# KiCad board plz actually have soldermask.kicad_pcb (continued)
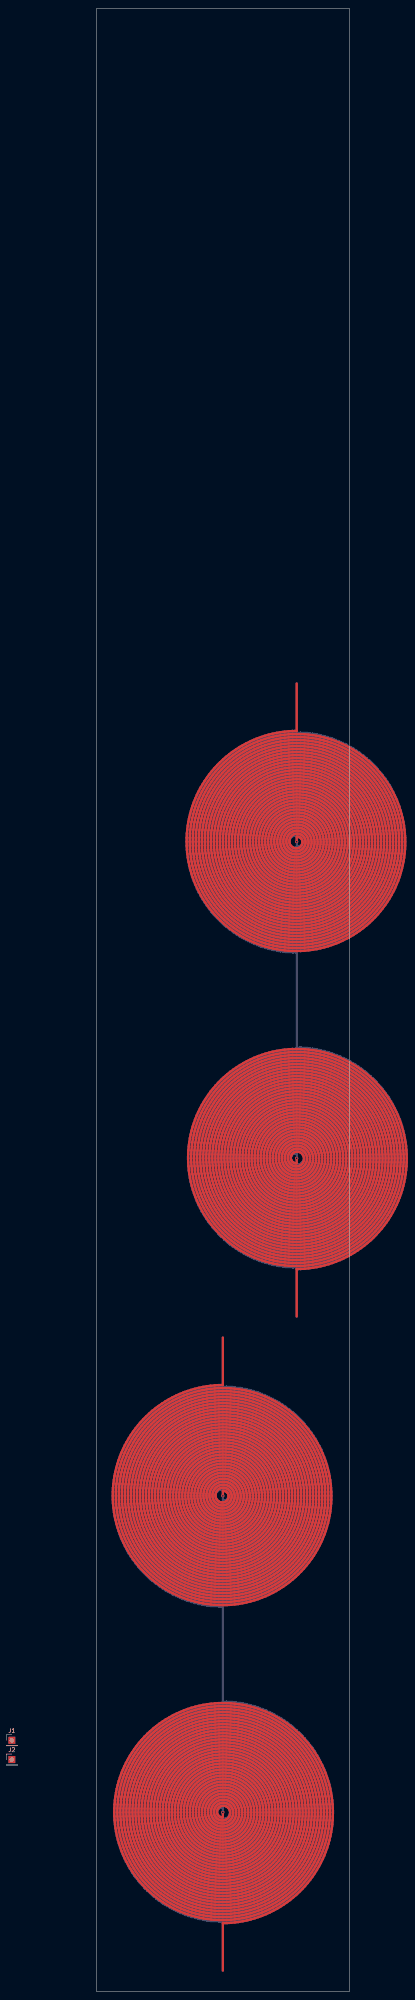
[diagram p0: board, top side]
## Routing (per net, layer and track width the routed paths; a pad name or vN(x,y) marks a point on that pad's centre or on a via; arc(x,y) is an arc through that point) (continued)
38.02,195.35 37.68,196.06 37.38,196.79 37.13,197.54 36.94,198.31 36.8,199.08 36.71,199.87 36.67,200.66 36.69,201.45 36.77,202.24 36.89,203.02 37.07,203.79 37.31,204.55 37.59,205.3 37.92,206.02 38.31,206.71 38.74,207.38 39.21,208.02 39.73,208.63 40.29,209.2 40.88,209.73 41.51,210.22 42.18,210.66 42.87,211.06 43.59,211.41 44.33,211.71 45.09,211.96 45.87,212.16 46.66,212.3 47.46,212.39 48.26,212.43 49.06,212.41 49.86,212.33 50.66,212.21 51.44,212.02 52.21,211.79 52.97,211.5 53.7,211.16 54.41,210.77 55.09,210.33 55.74,209.85 56.35,209.32 56.93,208.76 57.47,208.15 57.96,207.51 58.42,206.84 58.82,206.13 59.18,205.4 59.48,204.65 59.74,203.88 59.94,203.09 60.08,202.29 60.17,201.47 60.21,200.66 60.19,199.84 60.11,199.03 59.98,198.22 59.8,197.43 59.56,196.64 59.26,195.88 58.92,195.14 58.52,194.42 58.08,193.73 57.59,193.07 57.06,192.44 56.48,191.86 55.87,191.31 55.22,190.81 54.53,190.35 53.82,189.94 53.07,189.58 52.31,189.27 51.52,189.01 50.72,188.8 49.91,188.66 49.09,188.56 48.26,188.53 47.47,188.55 46.67,188.62 45.89,188.74 45.11,188.91 44.35,189.14 43.6,189.41 42.87,189.73 42.16,190.1 41.48,190.52 40.83,190.97 40.21,191.48 39.62,192.02 39.06,192.6 38.55,193.21 38.08,193.86 37.65,194.53 37.26,195.24 36.93,195.97 36.64,196.71 36.4,197.48 36.21,198.26 36.07,199.05 35.98,199.86 35.95,200.66 35.97,201.47 36.04,202.27 36.16,203.07 36.34,203.85 36.56,204.63 36.84,205.39 37.17,206.13 37.54,206.85 37.96,207.54 38.43,208.2 38.94,208.83 39.49,209.43 40.08,209.99 40.7,210.51 41.36,210.99 42.04,211.43 42.76,211.82 43.5,212.16 44.26,212.46 45.03,212.7 45.83,212.89 46.63,213.03 47.44,213.12 48.26,213.16 49.08,213.14 49.89,213.06 50.7,212.94 51.5,212.76 52.29,212.53 53.06,212.25 53.81,211.91 54.54,211.53 55.24,211.11 55.91,210.63 56.55,210.12 57.16,209.56 57.73,208.96 58.26,208.33 58.74,207.67 59.19,206.97 59.58,206.24 59.93,205.49 60.23,204.72 60.48,203.93 60.67,203.13 60.81,202.31 60.9,201.49 60.94,200.66 60.92,199.83 60.84,199 60.72,198.18 60.53,197.37 60.3,196.57 60.01,195.79 59.68,195.03 59.29,194.29 58.86,193.58 58.38,192.9 57.85,192.25 57.29,191.63 56.68,191.05 56.04,190.52 55.37,190.02 54.66,189.58 53.92,189.17 53.16,188.82 52.38,188.52 51.58,188.27 50.76,188.07 49.94,187.93 49.1,187.84 48.26,187.8 47.45,187.82 46.65,187.89 45.85,188.01 45.05,188.18 44.28,188.4 43.51,188.66 42.76,188.98 42.04,189.34 41.33,189.75 40.66,190.2 40.01,190.69 39.4,191.22 38.82,191.79 38.27,192.4 37.77,193.04 37.3,193.71 36.88,194.41 36.51,195.13 36.18,195.88 35.89,196.64 35.66,197.42 35.47,198.22 35.34,199.03 35.25,199.84 35.22,200.66 35.24,201.48 35.31,202.3 35.43,203.11 35.6,203.91 35.82,204.7 36.09,205.48 36.41,206.23 36.78,206.97 37.19,207.68 37.65,208.37 38.15,209.02 38.69,209.65 39.27,210.24 39.88,210.79 40.53,211.3 41.21,211.77 41.92,212.2 42.65,212.58 43.41,212.91 44.19,213.2 44.98,213.44 45.79,213.63 46.6,213.76 47.43,213.85 48.26,213.88 49.09,213.86 49.92,213.79 50.74,213.67 51.56,213.5 52.36,213.27 53.14,212.99 53.91,212.67 54.66,212.3 55.38,211.88 56.07,211.42 56.74,210.91 57.37,210.36 57.97,209.78 58.53,209.15 59.05,208.5 59.52,207.81 59.96,207.09 60.34,206.35 60.68,205.58 60.97,204.79 61.21,203.99 61.41,203.17 61.54,202.34 61.63,201.5 61.66,200.66 61.65,199.82 61.57,198.98 61.45,198.14 61.27,197.32 61.04,196.51 60.76,195.71 60.43,194.93 60.06,194.17 59.63,193.44 59.16,192.74 58.65,192.06 58.09,191.42 57.5,190.82 56.87,190.25 56.2,189.73 55.5,189.24 54.78,188.81 54.02,188.41 53.25,188.07 52.45,187.77 51.63,187.53 50.8,187.34 49.96,187.2 49.11,187.11 48.26,187.07 47.44,187.09 46.62,187.16 45.81,187.28 45,187.44 44.21,187.66 43.43,187.92 42.66,188.23 41.92,188.58 41.2,188.98 40.5,189.42 39.83,189.9 39.2,190.43 38.59,190.99 38.02,191.59 37.48,192.22 36.99,192.88 36.53,193.57 36.12,194.29 35.75,195.03 35.43,195.79 35.15,196.57 34.92,197.37 34.74,198.18 34.61,199 34.52,199.83 34.49,200.66 34.51,201.49 34.58,202.32 34.7,203.15 34.87,203.96 35.08,204.77 35.35,205.56 35.66,206.33 36.02,207.08 36.42,207.82 36.87,208.52 37.36,209.2 37.89,209.85 38.46,210.46 39.07,211.04 39.7,211.58 40.38,212.08 41.08,212.54 41.8,212.96 42.56,213.34 43.33,213.66 44.12,213.94 44.93,214.18 45.75,214.36 46.58,214.49 47.42,214.58 48.26,214.61 49.1,214.59 49.94,214.52 50.78,214.4 51.61,214.23 52.42,214.01 53.22,213.74 54.01,213.43 54.77,213.06 55.51,212.65 56.22,212.2 56.91,211.7 57.57,211.16 58.19,210.59 58.77,209.98 59.32,209.33 59.83,208.65 60.3,207.94 60.72,207.2 61.1,206.44 61.43,205.66 61.72,204.85 61.95,204.04 62.14,203.2 62.27,202.36 62.36,201.51 62.39,200.66 62.37,199.81 62.3,198.95 62.18,198.11 62.01,197.27 61.78,196.45 61.51,195.63 61.19,194.84 60.82,194.07 60.41,193.32 59.95,192.59 59.44,191.9 58.9,191.23 58.32,190.6 57.7,190.01 57.04,189.45 56.35,188.94 55.63,188.47 54.89,188.04 54.11,187.65 53.32,187.32 52.51,187.03 51.68,186.79 50.84,186.6 49.98,186.47 49.12,186.38 48.26,186.35 47.43,186.36 46.6,186.43 45.77,186.54 44.95,186.71 44.15,186.92 43.35,187.17 42.57,187.47 41.81,187.82 41.07,188.21 40.36,188.65 39.67,189.12 39.01,189.63 38.38,190.19 37.78,190.77 37.22,191.39 36.69,192.05 36.21,192.73 35.76,193.44 35.36,194.18 34.99,194.94 34.68,195.72 34.41,196.51 34.18,197.32 34.01,198.15 33.88,198.98 33.8,199.82 33.77,200.66 33.78,201.5 33.85,202.34 33.97,203.18 34.13,204.01 34.34,204.83 34.6,205.63 34.91,206.42 35.26,207.19 35.65,207.94 36.09,208.66 36.57,209.36 37.09,210.03 37.65,210.67 38.25,211.27 38.88,211.84 39.54,212.37 40.23,212.87 40.95,213.32 41.7,213.73 42.47,214.09 43.25,214.41 44.06,214.69 44.88,214.91 45.71,215.09 46.56,215.22 47.41,215.3 48.26,215.34 49.11,215.32 49.97,215.25 50.81,215.13 51.65,214.97 52.48,214.75 53.29,214.49 54.09,214.18 54.87,213.82 55.63,213.42 56.36,212.98 57.07,212.49 57.75,211.96 58.39,211.4 59,210.8 59.58,210.16 60.12,209.49 60.62,208.79 61.08,208.06 61.49,207.3 61.86,206.53 62.18,205.73 62.46,204.91 62.69,204.08 62.87,203.24 63,202.38 63.09,201.52 63.12,200.66 63.1,199.8 63.03,198.93 62.91,198.08 62.74,197.23 62.53,196.39 62.26,195.56 61.95,194.76 61.59,193.97 61.18,193.2 60.73,192.46 60.24,191.74 59.7,191.06 59.13,190.4 58.52,189.78 57.88,189.2 57.2,188.66 56.49,188.15 55.75,187.69 54.99,187.27 54.2,186.89 53.39,186.56 52.56,186.28 51.72,186.05 50.87,185.87 50,185.74 49.13,185.65 48.26,185.62 47.42,185.64 46.57,185.7 45.74,185.81 44.91,185.97 44.09,186.18 43.28,186.43 42.49,186.72 41.71,187.06 40.96,187.45 40.22,187.87 39.52,188.34 38.83,188.84 38.18,189.38 37.56,189.96 36.97,190.57 36.42,191.22 35.9,191.89 35.43,192.6 34.99,193.33 34.59,194.08 34.24,194.85 33.93,195.65 33.66,196.46 33.45,197.28 33.27,198.11 33.15,198.96 33.07,199.81 33.04,200.66 33.06,201.51 33.12,202.37 33.23,203.21 33.39,204.05 33.6,204.88 33.86,205.7 34.15,206.5 34.5,207.29 34.89,208.05 35.32,208.79 35.79,209.51 36.3,210.2 36.85,210.86 37.43,211.49 38.05,212.08 38.7,212.64 39.39,213.16 40.1,213.65 40.84,214.09 41.6,214.49 42.38,214.85 43.19,215.16 44,215.43 44.84,215.65 45.68,215.83 46.54,215.95 47.4,216.03 48.26,216.06 49.12,216.05 49.99,215.98 50.84,215.87 51.69,215.7 52.53,215.49 53.36,215.24 54.17,214.93 54.97,214.58 55.74,214.19 56.49,213.76 57.21,213.28 57.91,212.76 58.58,212.21 59.22,211.62 59.82,210.99 60.38,210.33 60.91,209.64 61.4,208.92 61.85,208.17 62.26,207.4 62.62,206.61 62.93,205.79 63.2,204.97 63.43,204.12 63.61,203.27 63.73,202.4 63.81,201.53 63.85,200.66 63.83,199.79 63.76,198.91 63.64,198.05 63.48,197.19 63.27,196.34 63.01,195.5 62.7,194.68 62.35,193.88 61.95,193.09 61.51,192.33 61.03,191.6 60.51,190.89 59.94,190.22 59.34,189.58 58.71,188.97 58.04,188.39 57.34,187.86 56.61,187.36 55.86,186.91 55.08,186.5 54.28,186.14 53.45,185.81 52.62,185.54 51.76,185.31 50.9,185.13 50.02,185.01 49.14,184.92 48.26,184.89 47.41,184.91 46.55,184.97 45.71,185.08 44.87,185.24 44.03,185.44 43.21,185.68 42.41,185.97 41.62,186.3 40.85,186.68 40.1,187.1 39.37,187.55 38.67,188.05 38,188.58 37.36,189.15 36.74,189.75 36.17,190.39 35.62,191.05 35.12,191.75 34.65,192.47 34.22,193.22 33.83,193.98 33.48,194.77 33.18,195.58 32.92,196.4 32.71,197.24 32.54,198.08 32.42,198.94 32.34,199.8 32.31,200.66 32.33,201.52 32.39,202.39 32.5,203.24 32.66,204.09 32.86,204.94 33.11,205.76 33.4,206.58 33.74,207.38 34.12,208.16 34.54,208.91 35,209.65 35.5,210.36 36.04,211.04 36.62,211.69 37.23,212.31 37.87,212.89 38.54,213.44 39.25,213.95 39.98,214.43 40.73,214.86 41.51,215.25 42.31,215.6 43.12,215.91 43.95,216.17 44.8,216.39 45.65,216.56 46.52,216.68 47.39,216.76 48.26,216.79 49.13,216.77 50.01,216.71 50.87,216.6 51.73,216.44 52.58,216.23 53.42,215.98 54.25,215.69 55.05,215.35 55.84,214.96 56.61,214.54 57.35,214.07 58.07,213.56 58.76,213.02 59.41,212.43 60.04,211.82 60.63,211.17 61.19,210.49 61.7,209.78 62.18,209.04 62.62,208.27 63.02,207.49 63.37,206.68 63.68,205.86 63.95,205.02 64.17,204.16 64.34,203.3 64.46,202.42 64.54,201.54 64.57,200.66 64.55,199.78 64.49,198.89 64.38,198.02 64.22,197.15 64.01,196.29 63.75,195.44 63.45,194.61 63.11,193.79 62.72,192.99 62.29,192.22 61.82,191.47 61.31,190.74 60.75,190.05 60.17,189.38 59.54,188.75 58.89,188.15 58.2,187.59 57.48,187.07 56.73,186.58 55.96,186.14 55.16,185.74 54.35,185.38 53.51,185.07 52.66,184.8 51.8,184.58 50.93,184.4 50.04,184.28 49.15,184.2 48.26,184.17 47.4,184.18 46.53,184.24 45.68,184.35 44.83,184.5 43.98,184.7 43.15,184.94 42.33,185.22 41.53,185.55 40.75,185.92 39.98,186.32 39.24,186.77 38.52,187.26 37.83,187.78 37.17,188.34 36.53,188.93 35.93,189.56 35.36,190.22 34.83,190.9 34.33,191.61 33.87,192.35 33.45,193.11 33.07,193.9 32.73,194.7 32.43,195.52 32.18,196.35 31.97,197.2 31.81,198.05 31.69,198.92 31.61,199.79 31.58,200.66 31.6,201.53 31.66,202.4 31.77,203.27 31.92,204.13 32.12,204.98 32.37,205.82 32.65,206.65 32.98,207.46 33.35,208.26 33.77,209.03 34.22,209.78 34.71,210.5 35.24,211.2 35.8,211.88 36.4,212.52 37.04,213.12 37.7,213.7 38.39,214.24 39.12,214.74 39.86,215.21 40.63,215.63 41.42,216.02 42.23,216.36 43.06,216.66 43.9,216.91 44.76,217.13 45.63,217.29 46.5,217.41 47.38,217.49 48.26,217.52 49.14,217.5 50.02,217.44 50.9,217.33 51.77,217.17 52.63,216.97 53.48,216.73 54.32,216.44 55.14,216.1 55.94,215.73 56.72,215.31 57.48,214.85 58.21,214.36 58.92,213.82 59.6,213.25 60.24,212.64 60.86,212 61.44,211.33 61.99,210.63 62.49,209.9 62.96,209.15 63.39,208.37 63.78,207.57 64.13,206.75 64.43,205.91 64.69,205.06 64.9,204.2 65.07,203.32 65.19,202.44 65.27,201.55 65.3,200.66 65.28,199.77 65.22,198.88 65.11,197.99 64.95,197.11 64.75,196.24 64.5,195.38 64.21,194.54 63.87,193.71 63.49,192.9 63.07,192.11 62.61,191.34 62.1,190.6 61.56,189.89 60.99,189.2 60.37,188.55 59.73,187.93 59.05,187.34 58.34,186.79 57.6,186.27 56.84,185.8 56.05,185.36 55.24,184.97 54.42,184.62 53.57,184.32 52.71,184.06 51.84,183.84 50.95,183.67 50.06,183.55 49.16,183.47 48.26,183.44 47.39,183.46 46.52,183.52 45.65,183.62 44.79,183.77 43.94,183.96 43.09,184.2 42.26,184.47 41.45,184.79 40.65,185.15 39.87,185.55 39.12,185.99 38.38,186.47 37.67,186.98 36.99,187.53 36.33,188.11 35.71,188.73 35.12,189.38 34.56,190.05 34.03,190.76 33.55,191.49 33.1,192.24 32.68,193.02 32.31,193.82 31.98,194.63 31.69,195.46 31.44,196.31 31.24,197.16 31.08,198.03 30.96,198.9 30.89,199.78 30.86,200.66 30.87,201.54 30.93,202.42 31.04,203.3 31.19,204.17 31.38,205.03 31.62,205.88 31.9,206.72 32.22,207.54 32.59,208.35 32.99,209.13 33.44,209.9 33.92,210.64 34.44,211.36 34.99,212.05 35.58,212.71 36.21,213.34 36.86,213.94 37.54,214.51 38.25,215.03 38.99,215.53 39.75,215.98 40.54,216.4 41.34,216.78 42.17,217.11 43.01,217.4 43.86,217.65 44.72,217.86 45.6,218.02 46.48,218.14 47.37,218.22 48.26,218.24 49.15,218.23 50.04,218.17 50.93,218.06 51.8,217.91 52.67,217.71 53.53,217.47 54.38,217.19 55.21,216.86 56.03,216.49 56.82,216.09 57.6,215.64 58.35,215.15 59.07,214.63 59.77,214.06 60.44,213.47 61.07,212.84 61.68,212.18 62.25,211.49 62.78,210.77 63.28,210.02 63.74,209.25 64.16,208.46 64.54,207.65 64.88,206.82 65.18,205.97 65.43,205.11 65.64,204.23 65.8,203.35 65.92,202.46 66,201.56 66.03,200.66 66.01,199.76 65.95,198.86 65.84,197.97 65.69,197.08 65.49,196.2 65.25,195.33 64.96,194.48 64.63,193.64 64.26,192.81 63.85,192.01 63.39,191.23 62.9,190.47 62.37,189.74 61.8,189.03 61.2,188.36 60.56,187.72 59.9,187.1 59.2,186.53 58.47,185.99 57.72,185.48 56.94,185.02 56.14,184.59 55.32,184.21 54.48,183.87 53.62,183.57 52.75,183.31 51.87,183.1 50.98,182.94 50.07,182.82 49.17,182.74 48.26,182.71 47.38,182.73 46.5,182.79 45.62,182.89 44.75,183.03 43.89,183.22 43.04,183.45 42.2,183.72 41.37,184.04 40.56,184.39 39.77,184.78 39,185.21 38.25,185.68 37.52,186.18 36.82,186.72 36.15,187.3 35.5,187.9 34.89,188.54 34.31,189.21 33.76,189.9 33.24,190.63 32.76,191.37 32.32,192.14 31.92,192.93 31.55,193.74 31.23,194.57 30.94,195.41 30.7,196.26 30.5,197.13 30.34,198 30.23,198.88 30.16,199.77 30.13,200.66 30.15,201.55 30.21,202.44 30.31,203.32 30.46,204.2 30.65,205.07 30.88,205.93 31.15,206.78 31.47,207.62 31.82,208.43 32.22,209.23 32.66,210.01 33.13,210.77 33.64,211.5 34.18,212.21 34.76,212.89 35.38,213.54 36.02,214.16 36.69,214.75 37.4,215.31 38.12,215.83 38.88,216.31 39.65,216.76 40.45,217.17 41.27,217.54 42.1,217.86 42.95,218.15 43.82,218.4 44.69,218.6 45.58,218.76 46.47,218.87 47.36,218.94 48.26,218.97 49.16,218.96 50.06,218.89 50.95,218.79 51.84,218.64 52.72,218.45 53.59,218.22 54.44,217.94 55.28,217.62 56.11,217.26 56.92,216.86 57.71,216.42 58.47,215.94 59.21,215.43 59.93,214.88 60.61,214.29 61.27,213.67 61.9,213.02 62.49,212.34 63.05,211.63 63.58,210.9 64.07,210.14 64.52,209.35 64.93,208.55 65.3,207.72 65.63,206.88 65.92,206.02 66.17,205.15 66.38,204.26 66.54,203.37 66.65,202.47 66.73,201.57 66.75,200.66 66.74,199.75 66.68,198.85 66.57,197.94 66.42,197.05 66.23,196.16 65.99,195.28 65.71,194.42 65.39,193.57 65.02,192.73 64.62,191.92 64.18,191.12 63.69,190.35 63.17,189.6 62.62,188.88 62.03,188.18 61.4,187.52 60.74,186.89 60.06,186.29 59.34,185.72 58.6,185.19 57.83,184.7 57.04,184.24 56.22,183.82 55.39,183.45 54.54,183.11 53.67,182.82 52.79,182.57 51.9,182.37 51,182.2 50.09,182.09 49.18,182.01 48.26,181.99 47.37,182 46.48,182.06 45.6,182.16 44.72,182.3 43.85,182.48 42.99,182.71 42.14,182.98 41.3,183.28 40.48,183.63 39.68,184.01 38.89,184.43 38.13,184.89 37.39,185.39 36.67,185.92 35.98,186.48 35.31,187.08 34.68,187.71 34.07,188.37 33.5,189.05 32.96,189.76 32.45,190.5 31.98,191.26 31.55,192.04 31.15,192.85 30.79,193.67 30.48,194.51 30.2,195.36 29.96,196.22 29.77,197.1 29.61,197.98 29.5,198.87 29.43,199.76 29.4,200.66 29.42,201.56 29.48,202.45 29.58,203.35 29.72,204.23 29.91,205.11 30.14,205.98 30.4,206.84 30.71,207.68 31.06,208.51 31.45,209.33 31.88,210.12 32.34,210.89 32.84,211.64 33.38,212.36 33.95,213.06 34.55,213.73 35.18,214.38 35.85,214.99 36.54,215.56 37.26,216.11 38,216.62 38.77,217.1 39.56,217.53 40.37,217.93 41.2,218.29 42.05,218.61 42.91,218.9 43.78,219.14 44.66,219.33 45.55,219.49 46.45,219.6 47.35,219.67 48.26,219.7 49.17,219.68 50.07,219.62 50.97,219.52 51.87,219.38 52.75,219.19 53.63,218.96 54.5,218.69 55.35,218.38 56.19,218.02 57.01,217.63 57.81,217.2 58.59,216.73 59.34,216.23 60.08,215.69 60.78,215.11 61.46,214.5 62.11,213.86 62.72,213.19 63.31,212.49 63.86,211.77 64.37,211.02 64.85,210.24 65.29,209.44 65.7,208.62 66.06,207.79 66.39,206.93 66.67,206.07 66.91,205.18 67.11,204.29 67.27,203.39 67.38,202.49 67.45,201.57 67.48,200.66 67.46,199.75 67.4,198.83 67.3,197.92 67.15,197.02 66.97,196.12 66.73,195.24 66.46,194.36 66.14,193.5 65.79,192.66 65.39,191.83 64.96,191.02 64.48,190.23 63.97,189.47 63.43,188.73 62.85,188.02 62.23,187.34 61.59,186.68 60.91,186.06 60.21,185.47 59.47,184.91 58.71,184.39 57.93,183.91 57.13,183.46 56.3,183.06 55.45,182.69 54.59,182.36 53.72,182.08 52.83,181.83 51.93,181.63 51.02,181.47 50.1,181.36 49.18,181.29 48.26,181.26 47.36,181.27 46.47,181.33 45.58,181.43 44.69,181.57 43.81,181.75 42.94,181.97 42.08,182.23 41.24,182.53 40.4,182.87 39.59,183.24 38.79,183.66 38.01,184.11 37.26,184.6 36.52,185.12 35.81,185.67 35.13,186.26 34.48,186.88 33.85,187.52 33.26,188.2 32.69,188.9 32.16,189.63 31.66,190.38 31.2,191.16 30.78,191.95 30.39,192.77 30.04,193.6 29.73,194.45 29.45,195.31 29.22,196.18 29.03,197.07 28.88,197.96 28.77,198.85 28.7,199.76 28.68,200.66 28.69,201.56 28.75,202.47 28.85,203.37 28.99,204.26 29.17,205.15 29.39,206.03 29.66,206.9 29.96,207.75 30.3,208.59 30.68,209.41 31.1,210.22 31.56,211 32.05,211.77 32.57,212.51 33.13,213.22 33.72,213.91 34.35,214.57 35,215.2 35.68,215.8 36.39,216.37 37.13,216.91 37.89,217.41 38.67,217.88 39.47,218.31 40.3,218.7 41.14,219.05 41.99,219.37 42.86,219.64 43.74,219.87 44.63,220.07 45.53,220.22 46.44,220.33 47.35,220.4 48.26,220.43 49.17,220.41 50.08,220.35 50.99,220.25 51.9,220.11 52.79,219.93 53.68,219.7 54.55,219.44 55.42,219.13 56.26,218.79 57.09,218.4 57.91,217.98 58.7,217.52 59.47,217.02 60.22,216.49 60.94,215.93 61.63,215.33 62.3,214.7 62.94,214.04 63.54,213.35 64.12,212.64 64.66,211.89 65.16,211.13 65.63,210.34 66.07,209.53 66.46,208.7 66.82,207.85 67.14,206.99 67.41,206.11 67.65,205.22 67.85,204.32 68,203.41 68.11,202.5 68.18,201.58 68.21,200.66 68.19,199.74 68.13,198.82 68.03,197.9 67.89,196.99 67.7,196.09 67.48,195.19 67.21,194.31 66.9,193.44 66.55,192.58 66.16,191.74 65.74,190.92 65.27,190.13 64.77,189.35 64.24,188.59 63.67,187.87 63.06,187.16 62.43,186.49 61.76,185.85 61.07,185.24 60.35,184.66 59.6,184.11 58.82,183.6 58.03,183.13 57.21,182.69 56.37,182.29 55.52,181.93 54.64,181.61 53.76,181.33 52.86,181.09 51.95,180.89 51.04,180.74 50.12,180.63 49.19,180.56 48.26,180.53 47.36,180.55 46.45,180.6 45.56,180.7 44.66,180.83 43.78,181.01 42.9,181.23 42.03,181.48 41.17,181.78 40.33,182.11 39.5,182.48 38.69,182.88 37.9,183.33 37.13,183.8 36.39,184.32 35.66,184.86 34.96,185.44 34.29,186.05 33.64,186.69 33.03,187.35 32.44,188.05 31.89,188.76 31.37,189.51 30.88,190.27 30.42,191.06 30.01,191.87 29.63,192.7 29.28,193.54 28.98,194.39 28.71,195.26 28.48,196.15 28.3,197.04 28.15,197.94 28.04,198.84 27.97,199.75 27.95,200.66 27.96,201.57 28.02,202.48 28.12,203.39 28.26,204.29 28.43,205.19 28.65,206.07 28.91,206.95 29.21,207.81 29.54,208.66 29.91,209.5 30.32,210.31 30.77,211.11 31.25,211.89 31.77,212.64 32.32,213.37 32.9,214.08 33.52,214.76 34.16,215.41 34.83,216.03 35.53,216.62 36.26,217.18 37.01,217.71 37.78,218.2 38.58,218.66 39.39,219.08 40.22,219.46 41.07,219.81 41.94,220.11 42.82,220.38 43.71,220.61 44.6,220.8 45.51,220.95 46.42,221.06 47.34,221.13 48.26,221.15 49.18,221.14 50.1,221.08 51.01,220.98 51.92,220.84 52.83,220.66 53.72,220.44 54.6,220.18 55.48,219.88 56.33,219.55 57.17,219.17 58,218.76 58.8,218.31 59.59,217.82 60.35,217.3 61.09,216.74 61.8,216.15 62.48,215.54 63.14,214.89 63.77,214.21 64.36,213.5 64.93,212.77 65.46,212.01 65.95,211.23 66.42,210.43 66.84,209.61 67.23,208.77 67.58,207.91 67.89,207.04 68.16,206.15 68.39,205.25 68.58,204.35 68.73,203.43 68.84,202.51 68.91,201.59 68.93,200.66 68.92,199.73 68.86,198.81 68.76,197.88 68.62,196.96 68.44,196.05 68.22,195.15 67.96,194.26 67.65,193.38 67.31,192.52 66.93,191.67 66.52,190.84 66.06,190.02 65.57,189.23 65.04,188.47 64.48,187.72 63.89,187 63.27,186.31 62.61,185.65 61.93,185.02 61.21,184.42 60.48,183.85 59.71,183.31 58.93,182.81 58.12,182.34 57.29,181.92 56.44,181.53 55.57,181.17 54.69,180.86 53.8,180.59 52.9,180.35 51.98,180.16 51.06,180.01 50.13,179.9 49.2,179.83 48.26,179.8 47.35,179.82 46.44,179.87 45.54,179.97 44.63,180.1 43.74,180.27 42.85,180.49 41.98,180.74 41.11,181.02 40.26,181.35 39.42,181.71 38.6,182.11 37.8,182.55 37.02,183.01 36.26,183.52 35.52,184.05 34.8,184.62 34.11,185.22 33.45,185.85 32.81,186.51 32.21,187.19 31.63,187.9 31.08,188.63 30.57,189.39 30.09,190.17 29.65,190.97 29.24,191.79 28.87,192.63 28.53,193.48 28.23,194.34 27.97,195.22 27.75,196.11 27.56,197.01 27.42,197.92 27.31,198.83 27.25,199.74 27.22,200.66 27.24,201.58 27.29,202.49 27.39,203.41 27.52,204.32 27.7,205.22 27.91,206.11 28.16,207 28.45,207.87 28.78,208.73 29.15,209.57 29.55,210.4 29.99,211.21 30.46,212 30.97,212.77 31.51,213.51 32.08,214.23 32.69,214.93 33.32,215.6 33.98,216.24 34.67,216.85 35.39,217.43 36.13,217.98 36.89,218.5 37.68,218.98 38.49,219.43 39.31,219.85 40.16,220.22 41.02,220.56 41.89,220.86 42.78,221.13 43.67,221.35 44.58,221.54 45.49,221.68 46.41,221.79 47.33,221.85 48.26,221.88 49.19,221.86 50.11,221.81 51.03,221.71 51.95,221.58 52.86,221.4 53.76,221.19 54.65,220.93 55.53,220.64 56.4,220.31 57.25,219.94 58.08,219.53 58.9,219.09 59.7,218.61 60.47,218.1 61.22,217.55 61.95,216.98 62.65,216.37 63.33,215.73 63.98,215.06 64.59,214.36 65.18,213.64 65.73,212.89 66.25,212.12 66.74,211.33 67.19,210.52 67.61,209.68 67.99,208.83 68.33,207.97 68.64,207.08 68.9,206.19 69.13,205.29 69.32,204.37 69.46,203.45 69.57,202.52 69.64,201.59 69.66,200.66 69.65,199.73 69.59,198.79 69.49,197.86 69.36,196.94 69.18,196.02 68.96,195.11 68.7,194.21 68.41,193.33 68.07,192.45 67.7,191.59 67.29,190.75 66.85,189.93 66.36,189.13 65.85,188.34 65.3,187.59 64.72,186.85 64.1,186.14 63.46,185.46 62.78,184.81 62.08,184.19 61.35,183.6 60.6,183.04 59.82,182.51 59.02,182.02 58.2,181.56 57.36,181.14 56.5,180.76 55.63,180.42 54.74,180.11 53.84,179.84 52.93,179.61 52,179.42 51.08,179.28 50.14,179.17 49.2,179.1 48.26,179.08 47.34,179.09 46.43,179.14 45.52,179.24 44.61,179.37 43.71,179.54 42.81,179.74 41.93,179.99 41.06,180.27 40.2,180.59 39.35,180.95 38.52,181.34 37.71,181.77 36.91,182.23 36.14,182.72 35.38,183.25 34.65,183.81 33.95,184.4 33.26,185.01 32.61,185.66 31.98,186.34 31.39,187.04 30.82,187.76 30.28,188.51 29.78,189.28 29.31,190.07 28.87,190.89 28.47,191.72 28.11,192.56 27.78,193.42 27.48,194.3 27.23,195.18 27.01,196.08 26.83,196.99 26.69,197.9 26.58,198.82 26.52,199.74 26.5,200.66 26.51,201.58 26.56,202.51 26.66,203.43 26.79,204.34 26.96,205.25 27.17,206.15 27.42,207.04 27.7,207.92 28.02,208.79 28.38,209.65 28.78,210.48 29.21,211.3 29.67,212.1 30.17,212.89 30.7,213.65 31.27,214.38 31.86,215.09 32.48,215.78 33.14,216.44 33.82,217.07 34.52,217.67 35.25,218.25 36.01,218.79 36.79,219.29 37.59,219.77 38.4,220.21 39.24,220.61 40.09,220.98 40.96,221.32 41.84,221.61 42.74,221.87 43.64,222.09 44.55,222.27 45.47,222.41 46.4,222.52 47.33,222.58 48.26,222.61 49.19,222.59 50.12,222.54 51.05,222.44 51.97,222.31 52.89,222.14 53.8,221.93 54.7,221.68 55.58,221.39 56.46,221.06 57.32,220.7 58.16,220.3 58.99,219.87 59.8,219.4 60.59,218.9 61.35,218.36 62.1,217.8 62.81,217.2 63.51,216.57 64.17,215.91 64.81,215.22 65.42,214.51 65.99,213.77 66.54,213.01 67.05,212.23 67.53,211.42 67.97,210.6 68.38,209.75 68.75,208.89 69.09,208.02 69.39,207.13 69.65,206.23 69.87,205.32 70.05,204.4 70.19,203.47 70.3,202.54 70.36,201.6 70.39,200.66 70.37,199.72 70.32,198.78 70.22,197.85 70.09,196.92 69.92,195.99 69.7,195.08 69.45,194.17 69.16,193.28 68.83,192.39 68.47,191.53 68.07,190.67 67.63,189.84 67.16,189.02 66.65,188.23 66.11,187.46 65.54,186.71 64.93,185.99 64.3,185.29 63.64,184.62 62.94,183.98 62.23,183.36 61.48,182.78 60.71,182.23 59.92,181.72 59.11,181.23 58.28,180.79 57.43,180.38 56.56,180 55.68,179.66 54.78,179.36 53.87,179.1 52.96,178.87 52.03,178.69 51.09,178.55 50.15,178.44 49.21,178.38 48.26,178.35 47.34,178.36 46.42,178.42 45.5,178.51 44.58,178.64 43.68,178.8 42.78,179 41.88,179.25 41,179.52 40.13,179.84 39.28,180.19 38.44,180.57 37.61,180.99 36.81,181.44 36.02,181.93 35.25,182.44 34.51,182.99 33.79,183.57 33.09,184.18 32.42,184.82 31.78,185.49 31.16,186.18 30.57,186.89 30.01,187.63 29.49,188.39 28.99,189.18 28.53,189.98 28.1,190.8 27.71,191.64 27.35,192.5 27.02,193.37 26.74,194.25 26.48,195.15 26.27,196.05 26.09,196.96 25.96,197.88 25.85,198.8 25.79,199.73 25.77,200.66 25.78,201.59 25.84,202.52 25.93,203.44 26.06,204.37 26.22,205.28 26.43,206.19 26.67,207.09 26.95,207.98 27.27,208.85 27.62,209.71 28.01,210.56 28.43,211.39 28.88,212.21 29.37,213 29.9,213.77 30.45,214.52 31.03,215.25 31.65,215.95 32.29,216.63 32.96,217.28 33.66,217.9 34.38,218.49 35.13,219.05 35.9,219.59 36.69,220.08 37.5,220.55 38.32,220.98 39.17,221.38 40.03,221.74 40.91,222.07 41.8,222.36 42.7,222.61 43.61,222.83 44.53,223.01 45.46,223.15 46.39,223.25 47.32,223.31 48.26,223.33 49.2,223.32 50.13,223.27 51.07,223.17 52,223.04 52.92,222.87 53.83,222.67 54.74,222.42 55.63,222.14 56.52,221.82 57.39,221.47 58.24,221.08 59.08,220.65 59.9,220.19 60.7,219.7 61.48,219.17 62.23,218.61 62.97,218.02 63.67,217.4 64.36,216.76 65.01,216.08 65.64,215.38 66.24,214.65 66.8,213.9 67.34,213.12 67.84,212.33 68.31,211.51 68.75,210.67 69.15,209.82 69.51,208.95 69.84,208.07 70.13,207.17 70.39,206.26 70.61,205.35 70.78,204.42 70.93,203.49 71.03,202.55 71.09,201.6 71.12,200.66 71.1,199.72 71.05,198.77 70.95,197.83 70.82,196.9 70.65,195.96 70.44,195.04 70.2,194.13 69.91,193.23 69.59,192.34 69.23,191.46 68.84,190.6 68.41,189.75 67.95,188.93 67.45,188.12 66.92,187.34 66.36,186.58 65.76,185.84 65.14,185.12 64.49,184.43 63.8,183.77 63.1,183.14 62.36,182.54 61.6,181.97 60.82,181.43 60.02,180.92 59.2,180.45 58.35,180.01 57.49,179.61 56.62,179.24 55.73,178.91 54.82,178.61 53.91,178.36 52.98,178.14 52.05,177.96 51.11,177.81 50.16,177.71 49.21,177.65 48.26,177.62 47.33,177.64 46.41,177.69 45.48,177.78 44.56,177.9 43.65,178.07 42.74,178.27 41.84,178.5 40.95,178.77 40.08,179.08 39.21,179.42 38.36,179.8 37.53,180.21 36.71,180.66 35.91,181.13 35.13,181.64 34.38,182.18 33.64,182.75 32.93,183.35 32.24,183.98 31.58,184.64 30.94,185.32 30.34,186.03 29.76,186.76 29.21,187.51 28.69,188.29 28.2,189.08 27.75,189.9 27.33,190.73 26.94,191.58 26.59,192.44 26.27,193.32 25.99,194.21 25.74,195.11 25.53,196.02 25.36,196.94 25.22,197.86 25.13,198.79 25.06,199.73 25.04,200.66 25.06,201.6 25.11,202.53 25.2,203.46 25.32,204.39 25.49,205.31 25.69,206.22 25.93,207.13 26.2,208.02 26.51,208.91 26.86,209.78 27.24,210.64 27.65,211.48 28.1,212.3 28.58,213.1 29.09,213.89 29.64,214.65 30.21,215.39 30.82,216.11 31.45,216.81 32.11,217.47 32.8,218.11 33.51,218.72 34.25,219.31 35.01,219.86 35.79,220.38 36.59,220.87 37.41,221.33 38.25,221.75 39.11,222.15 39.98,222.5 40.86,222.82 41.76,223.11 42.67,223.35 43.58,223.56 44.51,223.74 45.44,223.88 46.38,223.98 47.32,224.04 48.26,224.06 49.2,224.05 50.14,223.99 51.08,223.9 52.02,223.78 52.95,223.61 53.87,223.41 54.78,223.17 55.68,222.89 56.57,222.58 57.45,222.23 58.31,221.85 59.16,221.43 59.99,220.98 60.8,220.49 61.59,219.98 62.36,219.43 63.11,218.85 63.83,218.24 64.53,217.6 65.2,216.93 65.85,216.24 66.47,215.52 67.05,214.78 67.61,214.02 68.14,213.23 68.63,212.42 69.09,211.59 69.52,210.75 69.91,209.89 70.27,209.01 70.59,208.12 70.88,207.21 71.13,206.3 71.34,205.37 71.52,204.44 71.66,203.5 71.76,202.56 71.82,201.61 71.84,200.66 71.83,199.71 71.78,198.76 71.68,197.82 71.56,196.87 71.39,195.94 71.18,195.01 70.94,194.09 70.66,193.18 70.35,192.28 70,191.4 69.61,190.53 69.19,189.67 68.74,188.84 68.25,188.02 67.73,187.22 67.17,186.45 66.59,185.7 65.97,184.97 65.33,184.26 64.66,183.59 63.96,182.94 63.24,182.31 62.49,181.72 61.72,181.16 60.93,180.63 60.11,180.13 59.28,179.67 58.43,179.24 57.56,178.84 56.67,178.48 55.77,178.15 54.86,177.87 53.94,177.61 53.01,177.4 52.07,177.22 51.12,177.08 50.17,176.98 49.22,176.92 48.26,176.9 47.33,176.91 46.39,176.96 45.47,177.05 44.54,177.17 43.62,177.33 42.71,177.53 41.8,177.76 40.91,178.02 40.02,178.33 39.15,178.66 38.29,179.03 37.45,179.44 36.62,179.87 35.81,180.34 35.02,180.84 34.25,181.38 33.5,181.94 32.77,182.53 32.07,183.15 31.39,183.79 30.74,184.46 30.11,185.16 29.52,185.88 28.95,186.63 28.41,187.39 27.9,188.18 27.42,188.99 26.97,189.81 26.56,190.66 26.18,191.51 25.83,192.39 25.52,193.27 25.24,194.17 25,195.08 24.8,195.99 24.63,196.92 24.49,197.85 24.4,198.78 24.34,199.72 24.31,200.66 24.33,201.6 24.38,202.54 24.47,203.48 24.59,204.41 24.75,205.34 24.95,206.26 25.18,207.17 25.45,208.07 25.76,208.96 26.1,209.84 26.47,210.71 26.88,211.56 27.32,212.39 27.79,213.2 28.29,214 28.83,214.78 29.39,215.53 29.99,216.26 30.61,216.97 31.26,217.66 31.94,218.31 32.64,218.94 33.37,219.55 34.12,220.12 34.89,220.66 35.69,221.18 36.5,221.66 37.33,222.11 38.18,222.53 39.04,222.91 39.92,223.26 40.82,223.57 41.72,223.85 42.63,224.09 43.56,224.3 44.49,224.47 45.43,224.61 46.37,224.7 47.31,224.76 48.26,224.79 49.21,224.77 50.15,224.72 51.1,224.63 52.04,224.51 52.97,224.35 53.9,224.15 54.82,223.91 55.73,223.64 56.63,223.33 57.51,222.99 58.38,222.62 59.24,222.21 60.08,221.76 60.9,221.29 61.7,220.78 62.48,220.24 63.25,219.67 63.98,219.07 64.7,218.44 65.38,217.78 66.05,217.1 66.68,216.39 67.29,215.66 67.87,214.91 68.42,214.13 68.93,213.33 69.42,212.51 69.87,211.67 70.29,210.82 70.68,209.95 71.03,209.06 71.34,208.16 71.63,207.25 71.87,206.33 72.08,205.4 72.25,204.46 72.39,203.52 72.49,202.57 72.55,201.61 72.57,200.66 72.56,199.71 72.5,198.75 72.41,197.8 72.29,196.85 72.12,195.91 71.92,194.98 71.69,194.05 71.41,193.14 71.11,192.23 70.76,191.34 70.38,190.46 69.97,189.6 69.52,188.75 69.04,187.93 68.53,187.12 67.99,186.33 67.41,185.56 66.81,184.82 66.17,184.1 65.51,183.41 64.83,182.74 64.11,182.1 63.37,181.49 62.61,180.91 61.83,180.35 61.02,179.83 60.2,179.34 59.35,178.89 58.49,178.46 57.61,178.08 56.72,177.72 55.82,177.4 54.9,177.12 53.97,176.87 53.03,176.66 52.09,176.49 51.14,176.35 50.18,176.25 49.22,176.19 48.26,176.17 47.32,176.18 46.38,176.23 45.45,176.32 44.52,176.44 43.59,176.6 42.67,176.79 41.76,177.01 40.86,177.28 39.97,177.57 39.09,177.9 38.22,178.27 37.37,178.66 36.53,179.09 35.71,179.55 34.91,180.05 34.13,180.57 33.37,181.12 32.63,181.7 31.91,182.31 31.22,182.95 30.55,183.61 29.9,184.3 29.29,185.01 28.7,185.75 28.14,186.51 27.61,187.28 27.11,188.08 26.64,188.9 26.2,189.74 25.79,190.59 25.42,191.45 25.08,192.33 24.77,193.23 24.5,194.13 24.26,195.04 24.06,195.97 23.89,196.9 23.76,197.83 23.67,198.77 23.61,199.72 23.59,200.66 23.6,201.61 23.65,202.55 23.74,203.49 23.86,204.43 24.02,205.36 24.21,206.29 24.44,207.21 24.7,208.11 25,209.01 25.33,209.9 25.7,210.77 26.1,211.63 26.53,212.47 27,213.3 27.49,214.11 28.02,214.9 28.58,215.66 29.16,216.41 29.78,217.13 30.42,217.83 31.09,218.5 31.78,219.15 32.5,219.77 33.24,220.37 34,220.93 34.79,221.47 35.59,221.97 36.41,222.44 37.26,222.89 38.11,223.3 38.99,223.67 39.87,224.01 40.77,224.32 41.68,224.6 42.6,224.83 43.53,225.04 44.47,225.21 45.41,225.34 46.36,225.43 47.31,225.49 48.26,225.51 49.21,225.5 50.16,225.45 51.11,225.36 52.06,225.24 53,225.08 53.93,224.89 54.85,224.66 55.77,224.39 56.67,224.09 57.57,223.75 58.45,223.38 59.31,222.98 60.16,222.55 60.99,222.08 61.81,221.58 62.6,221.05 63.37,220.49 64.12,219.9 64.85,219.28 65.56,218.63 66.24,217.96 66.89,217.26 67.51,216.54 68.11,215.79 68.68,215.02 69.22,214.23 69.73,213.42 70.2,212.59 70.65,211.75 71.06,210.88 71.44,210 71.79,209.11 72.1,208.2 72.37,207.29 72.61,206.36 72.82,205.42 72.99,204.48 73.12,203.53 73.21,202.58 73.27,201.62 73.3,200.66 73.28,199.7 73.23,198.74 73.14,197.79 73.02,196.84 72.86,195.89 72.66,194.95 72.43,194.02 72.16,193.1 71.86,192.18 71.52,191.28 71.15,190.4 70.74,189.53 70.31,188.67 69.83,187.83 69.33,187.01 68.8,186.22 68.23,185.44 67.64,184.68 67.01,183.95 66.36,183.24 65.69,182.55 64.98,181.9 64.25,181.27 63.5,180.66 62.73,180.09 61.93,179.55 61.12,179.04 60.28,178.56 59.43,178.11 58.56,177.69 57.67,177.31 56.77,176.96 55.86,176.65 54.93,176.37 54,176.13 53.06,175.93 52.11,175.76 51.15,175.62 50.19,175.52 49.23,175.46 48.26,175.44 47.32,175.46 46.37,175.5 45.44,175.59 44.5,175.71 43.57,175.86 42.64,176.05 41.73,176.27 40.82,176.53 39.92,176.82 39.03,177.14 38.16,177.5 37.3,177.89 36.45,178.31 35.62,178.77 34.81,179.25 34.02,179.77 33.24,180.31 32.49,180.88 31.76,181.48 31.05,182.11 30.36,182.76 29.7,183.44 29.07,184.15 28.46,184.87 27.88,185.62 27.33,186.39 26.81,187.18 26.32,187.99 25.85,188.82 25.42,189.66 25.02,190.52 24.66,191.4 24.32,192.28 24.02,193.18 23.75,194.09 23.52,195.01 23.32,195.94 23.16,196.88 23.03,197.82 22.94,198.76 22.88,199.71 22.86,200.66 22.87,201.61 22.92,202.56 23.01,203.51 23.13,204.45 23.28,205.39 23.47,206.32 23.7,207.24 23.96,208.16 24.25,209.06 24.58,209.96 24.94,210.84 25.33,211.7 25.75,212.55 26.21,213.39 26.7,214.21 27.22,215.01 27.76,215.79 28.34,216.55 28.95,217.28 29.58,218 30.24,218.68 30.92,219.35 31.63,219.99 32.36,220.6 33.11,221.18 33.89,221.74 34.68,222.27 35.5,222.76 36.33,223.23 37.18,223.66 38.05,224.06 38.93,224.43 39.82,224.77 40.73,225.07 41.65,225.34 42.57,225.57 43.51,225.77 44.45,225.94 45.4,226.07 46.35,226.16 47.3,226.22 48.26,226.24 49.22,226.23 50.17,226.18 51.13,226.09 52.08,225.97 53.02,225.82 53.96,225.63 54.89,225.4 55.81,225.14 56.72,224.84 57.62,224.51 58.51,224.15 59.38,223.75 60.24,223.33 61.08,222.87 61.9,222.38 62.71,221.85 63.49,221.3 64.26,220.72 65,220.11 65.72,219.48 66.41,218.81 67.08,218.12 67.73,217.41 68.34,216.67 68.93,215.92 69.49,215.13 70.02,214.33 70.52,213.51 70.99,212.67 71.43,211.82 71.83,210.94 72.2,210.06 72.54,209.16 72.85,208.24 73.12,207.32 73.35,206.39 73.55,205.45 73.72,204.5 73.85,203.54 73.94,202.58 74,201.62 74.02,200.66 74.01,199.7 73.96,198.73 73.87,197.77 73.75,196.82 73.6,195.87 73.4,194.92 73.17,193.98 72.91,193.06 72.61,192.14 72.28,191.23 71.92,190.34 71.52,189.46 71.09,188.6 70.62,187.75 70.13,186.92 69.6,186.11 69.05,185.32 68.46,184.55 67.85,183.8 67.21,183.08 66.54,182.38 65.85,181.7 65.13,181.06 64.39,180.44 63.62,179.84 62.84,179.28 62.03,178.75 61.2,178.24 60.36,177.77 59.49,177.33 58.62,176.92 57.72,176.55 56.82,176.21 55.9,175.9 54.97,175.63 54.03,175.39 53.08,175.19 52.12,175.02 51.16,174.89 50.2,174.8 49.23,174.74 48.26,174.72 47.31,174.73 46.37,174.78 45.42,174.86 44.48,174.97 43.54,175.13 42.61,175.31 41.69,175.53 40.78,175.78 39.87,176.07 38.98,176.39 38.09,176.74 37.23,177.12 36.37,177.54 35.53,177.98 34.71,178.46 33.91,178.97 33.12,179.5 32.36,180.06 31.61,180.66 30.89,181.27 30.19,181.92 29.52,182.59 28.86,183.28 28.24,184 27.64,184.74 27.07,185.5 26.53,186.28 26.01,187.08 25.53,187.9 25.07,188.74 24.65,189.59 24.26,190.46 23.9,191.34 23.57,192.24 23.27,193.14 23.01,194.06 22.78,194.98 22.59,195.92 22.43,196.86 22.3,197.8 22.21,198.75 22.15,199.71 22.13,200.66 22.15,201.61 22.19,202.57 22.28,203.52 22.39,204.47 22.55,205.41 22.73,206.35 22.95,207.28 23.21,208.2 23.5,209.11 23.82,210.01 24.17,210.9 24.56,211.77 24.98,212.63 25.42,213.48 25.9,214.3 26.41,215.11 26.95,215.9 27.52,216.67 28.12,217.42 28.74,218.15 29.39,218.86 30.06,219.54 30.76,220.19 31.48,220.82 32.23,221.42 32.99,222 33.78,222.54 34.59,223.06 35.41,223.55 36.26,224.01 37.11,224.44 37.99,224.83 38.88,225.19 39.78,225.52 40.69,225.82 41.61,226.08 42.55,226.31 43.49,226.51 44.43,226.67 45.38,226.8 46.34,226.89 47.3,226.95 48.26,226.97 49.22,226.96 50.18,226.91 51.14,226.82 52.09,226.7 53.04,226.55 53.99,226.36 54.92,226.14 55.85,225.89 56.77,225.6 57.67,225.27 58.57,224.92 59.45,224.53 60.31,224.11 61.16,223.65 62,223.17 62.81,222.66 63.61,222.11 64.39,221.54 65.14,220.94 65.87,220.32 66.58,219.66 67.27,218.98 67.93,218.28 68.56,217.55 69.17,216.8 69.75,216.03 70.3,215.24 70.82,214.43 71.31,213.6 71.77,212.75 72.2,211.88 72.6,211 72.96,210.11 73.3,209.2 73.59,208.28 73.86,207.35 74.09,206.41 74.29,205.47 74.45,204.51 74.58,203.56 74.67,202.59 74.73,201.63 74.75,200.66 74.74,199.69 74.69,198.73 74.6,197.76 74.48,196.8 74.33,195.84 74.14,194.89 73.92,193.95 73.66,193.02 73.37,192.09 73.04,191.18 72.68,190.28 72.29,189.39 71.87,188.52 71.41,187.67 70.93,186.83 70.41,186.01 69.86,185.2 69.29,184.42 68.68,183.66 68.05,182.93 67.39,182.21 66.71,181.52 66,180.86 65.27,180.22 64.51,179.61 63.74,179.03 62.94,178.47 62.12,177.95 61.28,177.45 60.43,176.99 59.56,176.56 58.67,176.16 57.77,175.79 56.86,175.45 55.93,175.15 55,174.88 54.05,174.65 53.1,174.45 52.14,174.29 51.18,174.16 50.21,174.07 49.23,174.01 48.26,173.99 48.26,162.56 ; 48.26,314.96 48.26,303.53 47.29,303.51 46.31,303.45 45.34,303.36 44.38,303.23 43.42,303.07 42.47,302.87 41.52,302.64 40.59,302.37 39.66,302.07 38.75,301.73 37.85,301.36 36.96,300.96 36.09,300.53 35.24,300.07 34.4,299.57 33.58,299.05 32.78,298.49 32.01,297.91 31.25,297.3 30.52,296.66 29.81,296 29.13,295.31 28.47,294.59 27.84,293.86 27.23,293.1 26.66,292.32 26.11,291.51 25.59,290.69 25.11,289.85 24.65,289 24.23,288.13 23.84,287.24 23.48,286.34 23.15,285.43 22.86,284.5 22.6,283.57 22.38,282.63 22.19,281.68 22.04,280.72 21.92,279.76 21.83,278.79 21.78,277.83 21.77,276.86 21.79,275.89 21.85,274.93 21.94,273.96 22.07,273.01 22.23,272.05 22.43,271.11 22.66,270.17 22.93,269.24 23.22,268.32 23.56,267.41 23.92,266.52 24.32,265.64 24.75,264.77 25.21,263.92 25.7,263.09 26.22,262.28 26.77,261.49 27.35,260.72 27.96,259.97 28.59,259.24 29.25,258.54 29.94,257.86 30.65,257.2 31.38,256.58 32.13,255.98 32.91,255.41 33.71,254.86 34.52,254.35 35.36,253.87 36.21,253.41 37.07,252.99 37.95,252.6 38.85,252.25 39.75,251.92 40.67,251.63 41.6,251.38 42.53,251.16 43.48,250.97 44.43,250.82 45.38,250.7 46.34,250.61 47.3,250.56 48.26,250.55 49.22,250.57 50.18,250.63 51.14,250.72 52.09,250.85 53.03,251.01 53.97,251.21 54.91,251.44 55.83,251.7 56.74,252 57.64,252.33 58.53,252.69 59.41,253.08 60.26,253.51 61.11,253.97 61.93,254.46 62.74,254.98 63.53,255.52 64.29,256.1 65.04,256.7 65.76,257.33 66.46,257.98 67.13,258.66 67.78,259.37 68.4,260.1 69,260.85 69.57,261.62 70.11,262.41 70.62,263.22 71.1,264.04 71.54,264.89 71.96,265.75 72.35,266.62 72.7,267.51 73.02,268.41 73.31,269.32 73.57,270.24 73.79,271.17 73.97,272.11 74.13,273.05 74.24,274 74.33,274.95 74.37,275.91 74.39,276.86 74.37,277.81 74.31,278.77 74.22,279.72 74.09,280.66 73.93,281.6 73.74,282.54 73.51,283.46 73.25,284.38 72.95,285.28 72.62,286.18 72.26,287.06 71.87,287.93 71.45,288.78 70.99,289.62 70.51,290.44 69.99,291.24 69.45,292.02 68.88,292.78 68.28,293.52 67.66,294.24 67,294.93 66.33,295.6 65.63,296.25 64.91,296.86 64.16,297.46 63.4,298.02 62.61,298.55 61.81,299.06 60.99,299.54 60.15,299.98 59.29,300.4 58.43,300.78 57.54,301.13 56.65,301.45 55.74,301.74 54.83,301.99 53.91,302.21 52.98,302.39 52.04,302.55 51.1,302.66 50.15,302.74 49.21,302.79 48.26,302.81 47.29,302.78 46.32,302.72 45.36,302.63 44.4,302.5 43.44,302.33 42.49,302.13 41.55,301.89 40.62,301.62 39.7,301.31 38.8,300.97 37.9,300.6 37.03,300.19 36.16,299.75 35.32,299.28 34.49,298.77 33.68,298.24 32.9,297.68 32.13,297.08 31.39,296.46 30.67,295.82 29.98,295.14 29.31,294.44 28.67,293.72 28.06,292.97 27.47,292.2 26.92,291.41 26.39,290.6 25.9,289.77 25.43,288.92 25,288.06 24.6,287.18 24.24,286.29 23.91,285.38 23.61,284.46 23.35,283.54 23.12,282.6 22.92,281.65 22.77,280.7 22.65,279.75 22.56,278.79 22.51,277.82 22.5,276.86 22.52,275.9 22.58,274.94 22.67,273.98 22.8,273.02 22.97,272.07 23.17,271.13 23.4,270.2 23.67,269.28 23.98,268.36 24.32,267.46 24.69,266.58 25.09,265.7 25.53,264.85 26,264.01 26.5,263.19 27.03,262.39 27.59,261.6 28.18,260.85 28.79,260.11 29.44,259.4 30.11,258.71 30.8,258.04 31.52,257.41 32.26,256.8 33.03,256.22 33.81,255.67 34.62,255.14 35.44,254.65 36.28,254.19 37.14,253.77 38.01,253.37 38.9,253.01 39.8,252.68 40.71,252.38 41.63,252.12 42.56,251.89 43.5,251.7 44.44,251.55 45.39,251.43 46.35,251.34 47.3,251.29 48.26,251.28 49.22,251.3 50.17,251.36 51.12,251.45 52.07,251.58 53.01,251.75 53.95,251.95 54.87,252.18 55.79,252.45 56.7,252.75 57.59,253.09 58.47,253.46 59.34,253.86 60.19,254.29 61.02,254.76 61.84,255.25 62.63,255.78 63.41,256.34 64.16,256.92 64.89,257.53 65.6,258.17 66.28,258.84 66.94,259.52 67.57,260.24 68.18,260.97 68.76,261.73 69.3,262.51 69.82,263.31 70.31,264.13 70.77,264.97 71.19,265.82 71.58,266.68 71.94,267.56 72.27,268.46 72.56,269.36 72.82,270.28 73.05,271.2 73.24,272.13 73.39,273.07 73.51,274.01 73.6,274.96 73.65,275.91 73.66,276.86 73.64,277.81 73.58,278.76 73.49,279.7 73.36,280.64 73.2,281.58 73,282.51 72.77,283.43 72.5,284.34 72.2,285.24 71.86,286.12 71.5,287 71.1,287.86 70.67,288.7 70.2,289.53 69.71,290.34 69.19,291.13 68.64,291.9 68.06,292.65 67.45,293.37 66.82,294.08 66.16,294.76 65.47,295.41 64.76,296.04 64.03,296.64 63.28,297.21 62.5,297.75 61.71,298.27 60.9,298.75 60.07,299.21 59.22,299.63 58.36,300.02 57.49,300.38 56.6,300.7 55.7,300.99 54.79,301.25 53.88,301.47 52.95,301.66 52.02,301.81 51.08,301.93 50.15,302.02 49.2,302.06 48.26,302.08 47.29,302.06 46.33,302 45.37,301.9 44.41,301.76 43.46,301.59 42.52,301.39 41.59,301.15 40.66,300.87 39.75,300.56 38.85,300.21 37.96,299.83 37.09,299.41 36.24,298.96 35.4,298.48 34.59,297.97 33.79,297.43 33.02,296.86 32.27,296.25 31.54,295.62 30.83,294.97 30.16,294.28 29.51,293.57 28.88,292.84 28.29,292.08 27.72,291.3 27.19,290.51 26.69,289.69 26.21,288.85 25.78,287.99 25.37,287.12 25,286.24 24.66,285.34 24.36,284.42 24.09,283.5 